# Altium PCB PowerAMP_revision.PcbDoc (part 3 of 4) (continued)
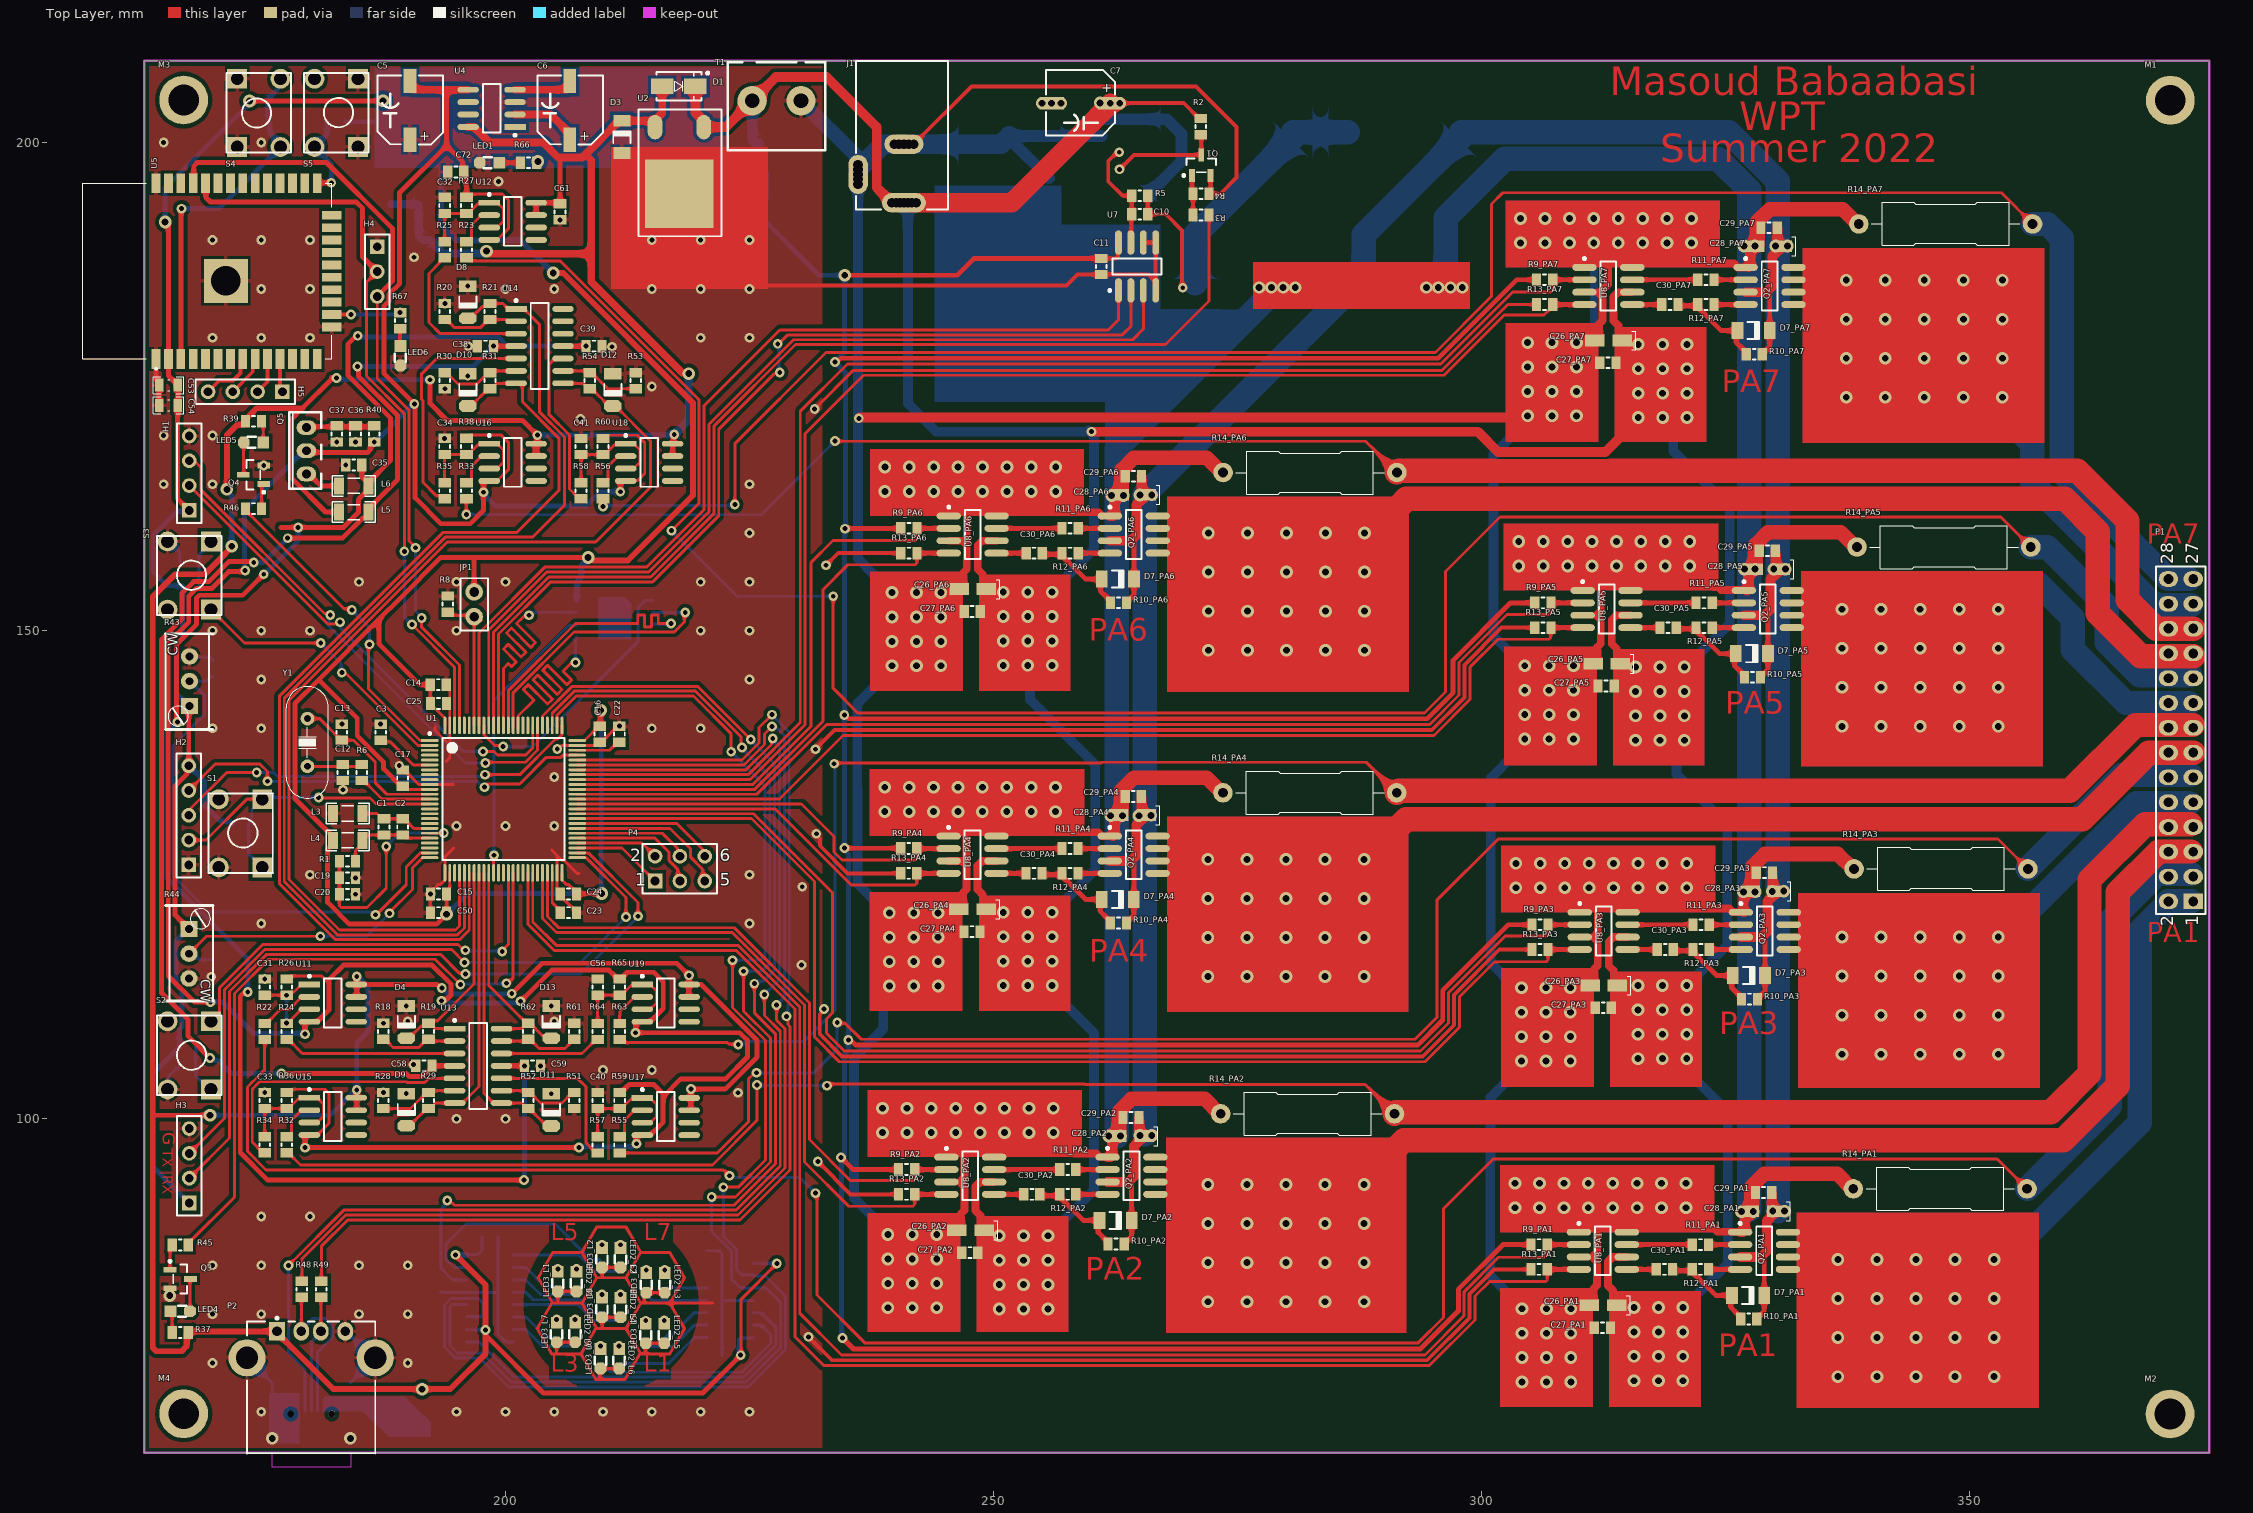
[diagram p0: Top Layer view]
## Nets (pads, with @x,y where several pads share a name; then routed paths per layer and width w, separated by ;. In a path a pad name is that pad's centre, name@x,y a point inside that pad or via, vN(x,y) a via of type N, cw(c..) or ccw(c..) an arc to the next point about the centre after c; other vN are vias at no path point) (continued)
  Top Layer w0.5: C30_PA7.2@320.096,183.273 322.128,183.273 322.353,183.048 322.353,182.921 324.541,180.733 D7_PA7.1@326.193,180.733 ; D7_PA7.1@326.065,180.733 326.065,179.511 327.081,178.495 R10_PA7.2@327.081,178.32
NetC36_2: C36.2 C37.2 Q5.B R40.1 | length 7
  Top Layer w0.5: Q5.B@179.625,170.8 179.713,170.887 186.488,170.887 R40.1@186.575,170.975
NetD6_2: D6.2 L1.1 U6.2 | length 16.7
  Bottom Layer w1.2: U6.2@261.075,202.375 267.75,202.375 L1.1@269.075,201.05 269.25,200.875 269.25,198.075 265.925,194.75 D6.2@265.925,194.35
NetD28_1: D28.1 p3.1 p3.H@182.225,69.775 | length 12.8
  Bottom Layer w0.3: p3.1@181.425,70.075 181.425,71.254 181.471,71.3 189.75,71.3 190.819,70.231 190.819,69.356 D28.1@191.45,68.725
NetL6_1: L6.1 Q5.E | length 3.8
  Top Layer w0.5: Q5.E@179.625,166.05 179.875,166.05 181.1,164.825 L6.1@182.965,164.825
NetLED1_1: LED1.1 R66.1 | length 2.2
  Top Layer w0.5: LED1.1@199.375,197.925 199.377,197.927 201.548,197.927 R66.1@201.55,197.93
NetLED2_L1_1: LED2_L1.1 R16_L1.1
  other v2: 207.275,84.629
NetLED2_L2_1: LED2_L2.1 R16_L2.1
  other v2: 211.8,87.104
NetLED2_L3_1: LED2_L3.1 R16_L3.1
  other v2: 216.325,84.529
NetLED2_L4_1: LED2_L4.1 R16_L4.1
  other v2: 211.8,82.004
NetLED2_L5_1: LED2_L5.1 R16_L5.1
  other v2: 216.275,79.354
NetLED2_L6_1: LED2_L6.1 R16_L6.1
  other v2: 211.65,76.729
NetLED2_L7_1: LED2_L7.1 R16_L7.1
  other v2: 207.15,79.454
NetLED3_L1_1: LED3_L1.1 R17_L1.1
  other v2: 205.375,84.629
NetLED3_L2_1: LED3_L2.1 R17_L2.1
  other v2: 209.9,87.104
NetLED3_L3_1: LED3_L3.1 R17_L3.1
  other v2: 214.425,84.529
NetLED3_L4_1: LED3_L4.1 R17_L4.1
  other v2: 209.9,82.004
NetLED3_L5_1: LED3_L5.1 R17_L5.1
  other v2: 214.375,79.329
NetLED3_L6_1: LED3_L6.1 R17_L6.1
  other v2: 209.75,76.754
NetLED3_L7_1: LED3_L7.1 R17_L7.1
  other v2: 205.25,79.454
NetLED4_1: LED4.1 R37.1 | length 2.2
  Top Layer w0.3: LED4.1@165.7,80.3 165.875,80.125 R37.1@165.875,78.125
NetLED4_2: LED4.2 Q3.3 | length 3.3
  Top Layer w0.3: LED4.2@167.7,80.3 167.7,83.55 Q3.3@167.75,83.6
NetLED5_1: LED5.1 R39.1 | length 2
  Top Layer w0.3: LED5.1@175.2,169.275 R39.1@175.2,171.275
NetLED5_2: LED5.2 Q4.3 | length 3.3
  Top Layer w0.3: Q4.3@173.15,165.975 173.2,166.025 LED5.2@173.2,169.275
NetLED6_1: LED6.1 R67.1 | length 1.8
  Top Layer w0.4: R67.1@189.225,180.925 189.225,179.175 LED6.1@189.25,179.15
NetQ1_1: Q1.1 R3.2 R4.2 | length 4.1
  Top Layer w0.4: Q1.1@270.325,196.625 270.325,194.85 R4.2@270.425,194.75 R3.2@270.425,192.575
NetQ1_3: Q1.3 R2.1 U6.5 | length 11
  Top Layer w0.4: v2@262.96,197.19 v2(262.9,197.25) 264.375,198.725 Q1.3@271.275,198.725 271.275,200.65 R2.1@271.25,200.675
NetQ2_PA1_2: Q2_PA1.2 R11_PA1.1 | length 3.3
  Top Layer w0.5: R11_PA1.1@323.215,87.122 Q2_PA1.2@326.465,87.122
NetQ2_PA1_4: Q2_PA1.4 R12_PA1.1 | length 3.3
  Top Layer w0.5: R12_PA1.1@323.215,84.582 Q2_PA1.4@326.465,84.582
NetQ2_PA2_2: Q2_PA2.2 R11_PA2.1 | length 3.3
  Top Layer w0.5: R11_PA2.1@258.425,94.807 Q2_PA2.2@261.675,94.807
NetQ2_PA2_4: Q2_PA2.4 R12_PA2.1 | length 3.3
  Top Layer w0.5: R12_PA2.1@258.425,92.267 Q2_PA2.4@261.675,92.267
NetQ2_PA3_2: Q2_PA3.2 R11_PA3.1 | length 3.3
  Top Layer w0.5: R11_PA3.1@323.296,119.885 Q2_PA3.2@326.546,119.885
NetQ2_PA3_4: Q2_PA3.4 R12_PA3.1 | length 3.3
  Top Layer w0.5: R12_PA3.1@323.296,117.345 Q2_PA3.4@326.546,117.345
NetQ2_PA4_2: Q2_PA4.2 R11_PA4.1 | length 3.3
  Top Layer w0.5: R11_PA4.1@258.653,127.684 Q2_PA4.2@261.903,127.684
NetQ2_PA4_4: Q2_PA4.4 R12_PA4.1 | length 3.3
  Top Layer w0.5: R12_PA4.1@258.653,125.144 Q2_PA4.4@261.903,125.144
NetQ2_PA5_2: Q2_PA5.2 R11_PA5.1 | length 3.3
  Top Layer w0.5: R11_PA5.1@323.597,152.849 Q2_PA5.2@326.847,152.849
NetQ2_PA5_4: Q2_PA5.4 R12_PA5.1 | length 3.3
  Top Layer w0.5: R12_PA5.1@323.597,150.309 Q2_PA5.4@326.847,150.309
NetQ2_PA6_2: Q2_PA6.2 R11_PA6.1 | length 3.3
  Top Layer w0.5: R11_PA6.1@258.667,160.481 Q2_PA6.2@261.917,160.481
NetQ2_PA6_4: Q2_PA6.4 R12_PA6.1 | length 3.3
  Top Layer w0.5: R12_PA6.1@258.667,157.941 Q2_PA6.4@261.917,157.941
NetQ2_PA7_2: Q2_PA7.2 R11_PA7.1 | length 3.3
  Top Layer w0.5: R11_PA7.1@323.778,185.94 Q2_PA7.2@327.028,185.94
NetQ2_PA7_4: Q2_PA7.4 R12_PA7.1 | length 3.3
  Top Layer w0.5: R12_PA7.1@323.778,183.4 Q2_PA7.4@327.028,183.4
NetQ3_1: Q3.1 R45.2 | length 2.6
  Top Layer w0.3: Q3.1@165.65,84.55 165.65,86.85 R45.2@165.875,87.075
NetQ4_1: Q4.1 R46.2 | length 2.7
  Top Layer w0.3: R46.2@175.025,162.5 175.025,164.875 175.175,165.025 Q4.1@175.25,165.025
NetR11_PA1_2: R11_PA1.2 U8_PA1.7 | length 6.7
  Top Layer w0.5: U8_PA1.7@314.855,87.122 R11_PA1.2@321.565,87.122
NetR11_PA2_2: R11_PA2.2 U8_PA2.7 | length 6.7
  Top Layer w0.5: U8_PA2.7@250.065,94.807 R11_PA2.2@256.775,94.807
NetR11_PA3_2: R11_PA3.2 U8_PA3.7 | length 6.7
  Top Layer w0.5: U8_PA3.7@314.936,119.885 R11_PA3.2@321.646,119.885
NetR11_PA4_2: R11_PA4.2 U8_PA4.7 | length 6.7
  Top Layer w0.5: U8_PA4.7@250.293,127.684 R11_PA4.2@257.003,127.684
NetR11_PA5_2: R11_PA5.2 U8_PA5.7 | length 6.7
  Top Layer w0.5: U8_PA5.7@315.237,152.849 R11_PA5.2@321.947,152.849
NetR11_PA6_2: R11_PA6.2 U8_PA6.7 | length 6.7
  Top Layer w0.5: U8_PA6.7@250.307,160.481 R11_PA6.2@257.017,160.481
NetR11_PA7_2: R11_PA7.2 U8_PA7.7 | length 6.7
  Top Layer w0.5: U8_PA7.7@315.418,185.94 R11_PA7.2@322.128,185.94
NetR22_1: R22.1 U11.2 | length 5.7
  Top Layer w0.3: R22.1@175.35,109.775 175.525,109.775 176.97,111.22 177.855,111.22 179.125,112.49 U11.2@179.925,112.49
NetR23_1: R23.1 U12.2 | length 4.2
  Top Layer w0.3: R23.1@196.025,189.845 196.2,189.845 196.525,190.17 196.525,191.535 197.55,192.56 U12.2@198.35,192.56
NetR32_1: R32.1 U15.2 | length 4.2
  Top Layer w0.3: R32.1@177.6,98.17 177.775,98.17 178.1,98.495 178.1,99.86 179.125,100.885 U15.2@179.925,100.885
NetR33_1: R33.1 U16.2 | length 4.2
  Top Layer w0.3: R33.1@196.025,165.16 196.2,165.16 196.525,165.485 196.525,166.85 197.55,167.875 U16.2@198.35,167.875
NetR55_1: R55.1 U17.2 | length 4.2
  Top Layer w0.3: R55.1@211.7,98.16 211.875,98.16 212.2,98.485 212.2,99.85 213.225,100.875 U17.2@214.025,100.875
NetR56_1: R56.1 U18.2 | length 4.2
  Top Layer w0.3: R56.1@210,165.16 210.175,165.16 210.5,165.485 210.5,166.85 211.525,167.875 U18.2@212.325,167.875
NetR63_1: R63.1 U19.2 | length 4.2
  Top Layer w0.3: R63.1@211.7,109.775 211.7,110.567 211.733,110.6 211.733,111.008 213.215,112.49 U19.2@214.025,112.49
NetU1_22: U1.22
NetU1_23: U1.23
NetU1_28: U1.28
NetU9_9: U9.9 U10.14 | length 39.2
  Bottom Layer w0.3: U9.9@196.025,77.155 197.295,77.155 200.9,73.55 224.425,73.55 227.7,76.825 227.7,78.654 226.214,80.14 U10.14@225.425,80.14
OSC1: C13.2 U1.12 Y1.1 | length 17.1
  Top Layer w0.3: Y1.1@179.725,140.99 180.985,140.99 183.075,138.9 183.25,138.9 C13.2@183.425,138.9 ; C13.2@183.25,138.775 183.425,138.775 184.445,138.775 186.675,136.545 186.675,134.425 187.85,133.25 U1.12@192.25,133.25
OSC2: R6.1 U1.13 | length 8.2
  Top Layer w0.3: R6.1@184.925,134.325 R6.1@185.225,134.625 ; R6.1@185.3,134.65 185.475,134.65 187.375,132.75 U1.13@192.25,132.75
PB1: C43.2 R41.2 S2.1 U1.39 | length 50.4
  Top Layer w0.3: S2.1@169.847,103.007 S2.1@170.6,103.76 ; S2.1@170.6,109.24 S2.1@169.847,109.992 170.713,110.858 170.713,113.42 175.144,117.85 195.136,117.85 195.711,117.275 v2(195.9,117.275) ; v2(199.675,117.15) 199.675,117.244 200.3,117.869 U1.39@200.3,125.2
  Bottom Layer w0.3: R41.2@168.275,107.525 C43.2@168.275,105.625 168.275,104.405 S2.1@169.673,103.007 ; v2(195.9,117.275) 195.962,117.213 199.612,117.213 v2(199.675,117.15)
PB2: C44.2 R42.2 S3.1 U1.2 | length 33.8
  Top Layer w0.3: S3.1@169.847,152.157 173.271,148.734 v2(181.091,148.734) ; v2(183.25,145.7) 183.384,145.566 183.734,145.566 191.05,138.25 U1.2@192.25,138.25
  Bottom Layer w0.3: R42.2@168.6,154.6 C44.2@168.6,156.8 168.6,157.745 S3.1@169.998,159.142 ; v2(181.091,148.734) 183.175,146.65 183.175,145.775 v2(183.25,145.7)
PD8: P4.3 U1.55 | length 13.2
  Top Layer w0.3: U1.55@207.55,128.75 215.318,128.75 216.775,127.293 216.775,126.444 217.659,125.56 217.659,124.576 P4.3@217.875,124.36
PD9: P4.4 U1.56 | length 11.8
  Top Layer w0.3: U1.56@207.35,129.25 216.075,129.25 217.645,127.68 217.645,127.13 P4.4@217.875,126.9
PD10: P4.5 U1.57 | length 16.4
  Top Layer w0.3: U1.57@207.35,129.75 216.858,129.75 218.975,127.633 218.975,126.784 220.199,125.56 220.199,124.576 P4.5@220.415,124.36
PD11: P4.6 U1.58 | length 14.7
  Top Layer w0.3: U1.58@207.35,130.25 217.55,130.25 220.185,127.615 220.185,127.13 P4.6@220.415,126.9
Pot1: C45.2 R43.3 U1.24 | length 55.9
  Top Layer w0.3: R43.3@167.936,144.825 R43.3@168,144.825 ; v2(186.7,120.9) 186.775,120.9 189.846,123.971 189.846,125.804 191.293,127.25 U1.24@192.25,127.25
  Bottom Layer w0.3: R43.3@167.65,144.825 167.713,144.825 169.2,143.338 169.2,141.45 165.95,138.2 165.95,124.9 169.65,121.2 186.211,121.2 186.511,120.9 v2(186.7,120.9) ; R43.3@168,144.825 169.425,144.825 169.9,145.3 C45.2@170.075,145.3
Pot2: C46.2 R44.3 U1.25 | length 32.7
  Top Layer w0.3: R44.3@167.6,116.915 169.385,118.7 v2(181.05,118.7) ; v2(188.126,121.049) 188.126,121.151 190.475,123.5 190.475,125.725 191.5,126.75 U1.25@192.25,126.75
  Bottom Layer w0.3: R44.3@167.6,116.915 168.029,116.915 168.644,116.3 C46.2@169.95,116.3 ; v2(181.05,118.7) 185.8,118.7 188.126,121.026 v2(188.126,121.049)
POT_CS: U1.93 U7.1 | length 97.5
  Top Layer w0.3: U1.93@197.3,140.3 197.3,149.775 204.025,156.5 214.466,156.5 220.35,162.384 220.35,173.038 228.112,180.8 261.75,180.8 262.795,181.845 U7.1@262.795,184.85
POT_SCK: U1.89 U7.2 | length 98
  Top Layer w0.3: U1.89@199.3,140.3 199.3,149.654 204.646,155 215.088,155 221.85,161.762 221.85,170.625 227.541,176.316 227.966,176.316 v2(228.1,176.45) ; v2(227.894,179.381) 228.006,179.381 228.925,180.3 263.175,180.3 264.065,181.19 U7.2@264.065,184.85
  Bottom Layer w0.3: v2(227.894,179.381) 228.025,179.25 228.025,176.525 v2(228.1,176.45)
POT_SI: U1.91 U7.3 | length 98.8
  Top Layer w0.3: U1.91@198.3,140.3 198.3,150.068 204.232,156 214.673,156 220.85,162.177 220.85,171.134 229.516,179.8 264.25,179.8 265.335,180.885 U7.3@265.335,184.85
QUAD_BK1_CS: U1.92 U20.1 | length 27
  Top Layer w0.3: U1.92@197.8,140.3 197.8,139.343 198.884,138.259 199.641,138.259 v2(199.775,138.125)
  Bottom Layer w0.3: v2(199.775,138.125) 202.819,138.125 213.6,148.906 213.6,152.4 214.319,153.119 215.059,153.119 U20.1@215.095,153.155
QUAD_BK1_IO0: U1.85 U20.5 | length 29
  Top Layer w0.3: U1.85@201.3,139.925 U1.85@201.3,140.3 201.3,141.257 202.821,142.778 202.927,142.885 201.838,143.974 202.333,144.469 204.319,142.483 204.814,142.978 202.828,144.964 203.323,145.459 205.309,143.473 205.804,143.968 203.818,145.954 204.313,146.449 206.299,144.463 206.794,144.958 205.897,145.854 206.387,146.344 206.659,146.616 207.041,146.616 v2(207.175,146.75)
  Bottom Layer w0.3: v2(207.175,146.75) 207.175,149.245 207.275,149.345 U20.5@207.305,149.345
QUAD_BK1_IO1: U1.86 U20.2 | length 28.4
  Top Layer w0.3: U1.86@200.8,140.15 200.8,143.643 207.032,149.875 217.302,149.875 218.327,150.9 218.327,151.752 v2(218.425,151.85)
  Bottom Layer w0.3: U20.2@215.095,151.885 215.112,151.867 218.408,151.867 v2(218.425,151.85)
QUAD_BK1_IO2: U1.87 U20.3 | length 29.2
  Top Layer w0.3: U1.87@200.3,140.3 200.3,143.85 207.175,150.725 213.409,150.725 213.559,150.725 213.559,151.608 214.259,151.608 214.259,150.375 214.959,150.375 214.959,151.608 215.659,151.608 215.659,150.725 216.425,150.725 v2(216.95,150.725)
  Bottom Layer w0.3: U20.3@215.095,150.615 215.15,150.67 216.895,150.67 v2(216.95,150.725)
QUAD_BK1_IO3: U1.88 U20.7 | length 29.2
  Top Layer w0.3: U1.88@199.8,140.3 199.8,145.918 199.8,146.131 200.295,146.626 200.619,146.301 201.114,146.796 199.8,148.11 200.295,148.605 201.609,147.291 202.104,147.786 200.122,149.768 200.617,150.263 202.599,148.281 203.094,148.776 201.148,150.723 201.7,151.275 201.867,151.442 202.29,151.442 v2(202.424,151.576)
  Bottom Layer w0.3: v2(202.424,151.576) 202.465,151.576 202.774,151.885 U20.7@207.305,151.885
QUAD_CLK: U1.36 U20.6 | length 29.4
  Top Layer w0.3: U1.36@198.8,125.2 198.8,126.975 v2(198.825,127)
  Bottom Layer w0.3: v2(198.825,127) 198.825,142.875 206.467,150.517 207.207,150.517 U20.6@207.305,150.615
R_led1: R16_L1.2 U9.3 | length 7.7
  Bottom Layer w0.3: U9.3@200.825,83.505 202.095,83.505 203.596,82.004 207.024,82.004 207.2,82.18 207.2,82.754 R16_L1.2@207.275,82.829
R_led2: R16_L2.2 U9.1 | length 12.3
  Bottom Layer w0.3: U9.1@200.825,86.045 207.48,86.045 209.15,84.375 211.191,84.375 211.367,84.551 211.367,84.954 211.692,85.279 R16_L2.2@211.8,85.279
R_led3: R16_L3.2 U10.5 | length 4.3
  Bottom Layer w0.3: R16_L3.2@216.325,82.704 216.349,82.68 U10.5@220.625,82.68
R_led4: R16_L4.2 U9.5 | length 12.2
  Bottom Layer w0.3: U9.5@200.825,80.965 200.835,80.975 207.4,80.975 209.021,79.354 211.549,79.354 211.725,79.53 R16_L4.2@211.725,80.104
R_led5: R16_L5.2 U10.3 | length 5.4
  Bottom Layer w0.3: R16_L5.2@216.275,77.529 216.6,77.854 217.069,77.854 219.355,80.14 U10.3@220.625,80.14
R_led6: R16_L6.2 U10.1 | length 10.1
  Bottom Layer w0.3: R16_L6.2@211.65,74.929 216.684,74.929 219.36,77.605 220.62,77.605 U10.1@220.625,77.6
R_led7: R16_L7.2 U9.7 | length 7.8
  Bottom Layer w0.3: U9.7@200.825,78.425 202.095,78.425 203.77,76.75 206.974,76.75 207.15,76.926 R16_L7.2@207.15,77.629
reg_clk: U1.77 U9.11 U10.11 | length 146.9
  Top Layer w0.3: U1.77@205.3,140.125 U1.77@205.3,140.3 205.3,141.343 207.257,143.3 219.263,143.3 223.125,139.438 v2(223.125,137.6) ; v2(222.325,93) 223.854,93 226.65,95.796 226.65,108.025 223.268,111.407 v2(223.268,116.243)
  Bottom Layer w0.3: U9.11@196.025,79.695 196.073,79.743 197.524,79.743 197.7,79.919 197.7,81.125 197.235,81.59 194.419,81.59 193.775,80.946 193.775,76.627 194.877,75.525 197.35,75.525 200.325,72.55 224.839,72.55 228.7,76.411 228.7,81.839 226.646,83.893 225.482,83.893 U10.11@225.425,83.95 225.377,83.998 224.252,83.998 223.675,84.575 223.675,86.65 222.325,88 v2(222.325,93) ; v2(223.125,137.6) 226.575,134.15 226.575,116.675 226.143,116.243 v2(223.268,116.243)
reg_ON_OFF: R3.1 U1.90 | length 110.9
  Top Layer w0.3: U1.90@198.8,140.3 198.8,149.861 204.439,155.5 214.881,155.5 221.35,161.969 221.35,170.927 229.723,179.3 267.6,179.3 272.075,183.775 R3.1@272.075,192.575
RESET: C18.2 H2.2 R7.2 S1.1 U1.14 | length 34.9
  Top Layer w0.3: H2.2@167.575,128.55 169.325,128.55 173.518,132.743 S1.1@175.098,132.743 ; v2(180.875,132.925) 180.94,132.86 186.14,132.86 186.75,132.25 U1.14@192.25,132.25
  Bottom Layer w0.3: S1.1@175.098,125.758 173.7,127.155 C18.2@173.7,128.225 R7.2@173.7,130.225 174.025,130.55 174.025,131.67 S1.1@175.098,132.743 175.28,132.925 v2(180.875,132.925)
RX1: H1.2 U1.82 | length 49.7
  Top Layer w0.3: H1.2@167.625,164.86 181.81,150.675 182.524,150.675 182.589,150.74 182.916,150.74 v2(183.05,150.874) ; v2(197.715,137.627) 198.84,137.627 199.191,137.275 202.093,137.275 202.8,137.982 U1.82@202.8,140.3
  Bottom Layer w0.3: v2(183.05,150.874) 183.138,150.785 183.138,150.219 195.73,137.627 v2(197.715,137.627)
RX2: H3.2 U1.52 | length 77.3
  Top Layer w0.3: H3.2@167.625,93.925 171.75,98.05 171.75,113.042 175.558,116.85 193.344,116.85 195.271,114.923 195.825,114.923 v2(195.919,114.829) ; U1.52@207.35,127.25 208.482,127.25 213.575,122.157 v2(213.575,120.75)
  Bottom Layer w0.3: v2(195.919,114.829) 207.706,114.829 213.575,120.698 v2(213.575,120.75)
serial_clock: U1.78 U9.12 U10.12 | length 141.6
  Top Layer w0.3: U1.78@204.8,140.3 204.8,141.55 207.05,143.8 219.47,143.8 224.13,139.14 224.13,138.152 v2(224.241,138.04) ; v2(221.125,92) 223.561,92 227.15,95.589 227.15,108.275 224.393,111.032 v2(224.393,115.118)
  Bottom Layer w0.3: U9.12@196.025,80.965 194.501,80.965 194.325,80.789 194.325,76.8 195.1,76.025 197.6,76.025 200.575,73.05 224.632,73.05 228.2,76.618 228.2,81.175 226.695,82.68 U10.12@225.425,82.68 224.07,82.68 223.175,83.575 223.175,86.443 221.125,88.493 v2(221.125,92) ; v2(224.241,138.04) 224.241,137.934 227.075,135.1 227.075,115.925 226.268,115.118 v2(224.393,115.118)
SWCLK: H2.3 U1.76 | length 43.2
  Top Layer w0.3: H2.3@167.575,131.09 167.805,131.32 167.805,131.826 171.455,135.477 174.521,135.477 v2(174.526,135.471) ; v2(197.918,135.25) 201.483,135.25 205.132,138.9 205.357,138.9 205.8,139.343 U1.76@205.8,140.3
  Bottom Layer w0.3: v2(174.526,135.471) 174.532,135.477 176.248,135.477 176.665,135.06 197.392,135.06 197.448,135.116 197.784,135.116 v2(197.918,135.25)
SWDIO: H2.4 U1.72 | length 43.9
  Top Layer w0.3: H2.4@167.575,133.63 170.272,136.327 174.873,136.327 175.625,135.575 v2(175.625,134.575) ; v2(197.875,133.975) 197.875,134.124 198.051,134.3 201.464,134.3 204.189,137.025 205.661,137.025 205.886,137.25 U1.72@207.35,137.25
  Bottom Layer w0.3: v2(175.625,134.575) 175.64,134.56 197.116,134.56 197.701,133.975 v2(197.875,133.975)
TIM12_CH1: P4.1 U1.53 | length 9.4
  Top Layer w0.3: U1.53@207.35,127.75 211.945,127.75 P4.1@215.335,124.36
TIM12_CH2: P4.2 U1.54 | length 8.5
  Top Layer w0.3: U1.54@207.35,128.25 213.985,128.25 P4.2@215.335,126.9
TX1: H1.3 U1.81 | length 53.8
  Top Layer w0.3: H1.3@167.625,167.4 167.855,167.17 168.355,167.17 168.8,166.725 168.8,164.425 181.473,151.752 181.935,151.752 v2(182.069,151.619) ; v2(197.95,136.45) 198.025,136.525 202.05,136.525 203.3,137.775 U1.81@203.3,140.3
  Bottom Layer w0.3: v2(182.069,151.619) 181.935,151.485 181.935,150.826 181.927,150.819 181.927,150.435 195.912,136.45 v2(197.95,136.45)
TX2: H3.3 U1.51 | length 72.2
  Top Layer w0.3: H3.3@167.625,96.465 171.25,100.09 171.25,113.249 175.351,117.35 194.5,117.35 v2(195.825,116.025) ; U1.51@207.35,126.75 208.275,126.75 212.35,122.675 v2(212.35,120.675)
  Bottom Layer w0.3: v2(195.825,116.025) 207.7,116.025 v2(212.35,120.675)
USB_DM: R48.2 U1.70 | length 124.5
  Top Layer w0.3: R48.2@179.15,83.375 179.15,85.65 183.65,90.15 223.832,90.15 228.65,94.968 228.65,109.232 227.775,110.107 v2(227.775,111.65) ; U1.70@207.35,136.25 224.432,136.25 226.531,138.349 226.531,139.413 227.3,140.182 v2(227.3,140.198)
  Bottom Layer w0.3: v2(227.3,140.198) 227.432,140.066 227.772,140.066 228.575,139.263 228.575,112.45 v2(227.775,111.65)
USB_DP: R49.2 U1.71 | length 125.2
  Top Layer w0.3: R49.2@181.15,83.375 181.15,86.943 183.857,89.65 224.039,89.65 229.15,94.761 229.15,109.439 228.934,109.655 228.934,110.366 v2(228.8,110.5) ; U1.71@207.35,136.75 224.225,136.75 225.975,138.5 225.975,140.075 v2(227.3,141.4)
  Bottom Layer w0.3: v2(227.3,141.4) 229.075,139.625 229.075,111.735 228.925,111.585 228.925,110.625 v2(228.8,110.5)
USB_ID: p3.4 U1.69 | length 137.2
  Top Layer w0.3: v2(177.775,84.975) 177.775,84.982 183.443,90.65 223.625,90.65 228.15,95.175 228.15,108.975 226.525,110.6 v2(226.525,112.725) ; U1.69@207.35,135.75 224.65,135.75 227.251,138.351 227.251,138.836 v2(227.381,138.965)
  Bottom Layer w0.3: v2(177.775,84.975) 177.775,76.036 179.475,74.336 p3.4@179.475,70.075 ; v2(226.525,112.725) 228.075,114.275 228.075,138.104 227.381,138.798 v2(227.381,138.965)
VBAT: C3.2 U1.6 | length 6.1
  Top Layer w0.3: C3.2@187.225,138.775 187.387,138.613 188.207,138.613 190.57,136.25 U1.6@192.25,136.25
VDDA: C1.2 C2.2 L4.2 R1.2 U1.21 | length 9.8
  Top Layer w0.3: R1.2@184.65,126.375 184.65,127.475 184.982,127.807 184.99,127.807 185.36,128.177 L4.2@185.36,128.527 185.36,128.705 185.73,129.075 C1.2@187.575,129.075 C2.2@189.475,129.075 189.8,128.75 U1.21@192.25,128.75
Vi+_1: R24.1 U13.3 | length 17.8
  Top Layer w0.3: R24.1@177.6,108.125 177.775,108.125 179.205,106.695 U13.3@194.8,106.695
Vi+_2: R34.1 U13.5 | length 28.4
  Top Layer w0.3: R34.1@175.35,96.52 175.175,96.52 174.075,97.62 174.075,103.043 174.35,103.318 174.35,103.33 174.82,103.8 189.84,103.8 189.915,103.725 191.735,103.725 192.165,104.155 U13.5@194.8,104.155
Vi+_3: R57.1 U13.10 | length 16.4
  Top Layer w0.3: U13.10@199.6,104.155 207.37,104.155 208.275,103.25 208.275,97.552 208.526,97.301 208.526,97.259 209.275,96.51 R57.1@209.45,96.51
Vi+_4: R64.1 U13.12 | length 10.4
  Top Layer w0.3: U13.12@199.6,106.695 207.845,106.695 209.275,108.125 R64.1@209.45,108.125
Vi+_5: R25.1 U14.3 | length 16.8
  Top Layer w0.3: R25.1@193.775,188.195 193.6,188.195 193.275,187.87 193.275,187.695 192.175,186.595 192.175,181.575 193.335,180.415 U14.3@201.1,180.415
Vi+_6: R35.1 U14.5 | length 24.4
  Top Layer w0.3: R35.1@193.775,163.51 193.462,163.823 192.927,163.823 191.55,165.2 191.55,173.552 191.425,173.677 191.425,176.325 192.975,177.875 U14.5@201.1,177.875
Vi+_7: R58.1 U14.10 | length 16.9
  Top Layer w0.3: U14.10@205.9,177.875 205.1,177.875 204.45,177.225 204.45,172.157 206.575,170.032 206.575,164.51 207.575,163.51 R58.1@207.75,163.51
Vi-_1: R18.1 R19.2 U13.2 | length 8.1
  Top Layer w0.3: R18.1@187.5,108.14 187.675,108.14 188.5,107.315 191.125,107.315 191.95,108.14 R19.2@192.125,108.14 192.3,107.965 U13.2@194.8,107.965
Vi-_2: R28.1 R29.2 U13.6 | length 8.1
  Top Layer w0.3: R28.1@187.5,101.05 190.29,101.05 192.125,102.885 U13.6@194.8,102.885
Vi-_3: R51.1 R52.2 U13.9 | length 8.4
  Top Layer w0.3: U13.9@199.6,102.885 202.34,102.885 203.6,101.625 205.8,101.625 206.875,102.7 R51.1@207.05,102.7
Vi-_4: R61.1 R62.2 U13.13 | length 8.3
  Top Layer w0.3: U13.13@199.6,107.965 202.7,107.965 203.47,107.195 206.105,107.195 206.55,107.64 206.55,107.815 206.875,108.14 R61.1@207.05,108.14
Vi-_5: R20.1 R21.2 U14.2 | length 8.1
  Top Layer w0.3: R20.1@193.8,181.86 193.975,181.86 194.8,181.035 197.425,181.035 198.25,181.86 R21.2@198.425,181.86 200.044,181.86 200.219,181.685 U14.2@201.1,181.685
Vi-_6: R30.1 R31.2 U14.6 | length 8.4
  Top Layer w0.3: R30.1@193.8,176.43 193.975,176.43 195.155,175.25 197.07,175.25 198.25,176.43 R31.2@198.425,176.43 198.6,176.605 U14.6@201.1,176.605
Vi-_7: R53.1 R54.2 U14.9 | length 8.2
  Top Layer w0.3: U14.9@205.9,176.605 208.475,176.605 R54.2@208.494,176.586 ; R54.2@208.65,176.43 208.825,176.43 210.475,174.78 R53.1@213.35,174.78
  Top Layer w0.5: U14.9@205.9,176.605 U14.9@205.919,176.586 ; R54.2@208.494,176.586 R54.2@208.65,176.43
vp1: C31.2 R24.2 R26.1 U11.1 U11.3 | length 10.7
  Top Layer w0.3: C31.2@175.35,112.665 R26.1@177.359,112.665 ; v2(177.575,109.8) 177.8,109.8 178.1,110.1 178.1,110.195 179.125,111.22 U11.3@179.925,111.22 ; v2(177.6,112.665) 177.925,112.99 178.355,112.99 179.125,113.76 U11.1@179.925,113.76
  Bottom Layer w0.3: v2(177.575,109.8) 177.588,109.813 177.588,112.653 v2(177.6,112.665)
vp2: C33.2 R34.2 R36.1 U15.1 U15.3 | length 12.5
  Top Layer w0.3: R34.2@175.35,98.17 C33.2@175.35,101.06 177.359,101.06 R36.1@177.48,100.94 ; R36.1@177.6,101.06 177.775,101.06 178.813,102.098 179.868,102.098 U15.1@179.925,102.155 180.725,102.155 181.375,101.505 181.375,100.265 180.725,99.615 U15.3@179.925,99.615
vp3: C40.2 R57.2 R59.1 U17.1 U17.3 | length 12.5
  Top Layer w0.3: R57.2@209.45,98.16 C40.2@209.45,101.05 211.459,101.05 R59.1@211.58,100.93 ; R59.1@211.7,101.05 211.875,101.05 212.913,102.088 213.968,102.088 U17.1@214.025,102.145 214.825,102.145 215.475,101.495 215.475,100.255 214.825,99.605 U17.3@214.025,99.605
vp4: C56.2 R64.2 R65.1 U19.1 U19.3 | length 12.6
  Top Layer w0.3: R64.2@209.45,109.775 C56.2@209.45,112.665 R65.1@211.7,112.665 211.875,112.665 212.913,113.703 213.968,113.703 U19.1@214.025,113.76 214.825,113.76 215.475,113.11 215.475,111.87 214.825,111.22 U19.3@214.025,111.22
vp5: C32.2 R25.2 R27.1 U12.1 U12.3 | length 12.6
  Top Layer w0.3: R25.2@193.775,189.845 C32.2@193.775,192.735 R27.1@196.025,192.735 196.2,192.735 197.238,193.773 198.293,193.773 U12.1@198.35,193.83 199.15,193.83 199.8,193.18 199.8,191.94 199.15,191.29 U12.3@198.35,191.29
vp6: C34.2 R35.2 R38.1 U16.1 U16.3 | length 12.6
  Top Layer w0.3: R35.2@193.775,165.16 C34.2@193.775,168.05 R38.1@196.025,168.05 196.2,168.05 197.238,169.088 198.293,169.088 U16.1@198.35,169.145 199.15,169.145 199.8,168.495 199.8,167.255 199.15,166.605 U16.3@198.35,166.605
vp7: C41.2 R58.2 R60.1 U18.1 U18.3 | length 12.3
  Top Layer w0.3: R58.2@207.75,165.16 C41.2@207.75,168.04 209.525,168.04 R60.1@209.69,167.875 ; R60.1@210,168.04 210.175,168.04 211.223,169.088 212.268,169.088 U18.1@212.325,169.145 213.125,169.145 213.775,168.495 213.775,167.255 213.125,166.605 U18.3@212.325,166.605
VPA: C9.1 C28_PA1.1 C28_PA2.1 C28_PA3.1 C28_PA4.1 C28_PA5.1 C28_PA6.1 C28_PA7.1 C29_PA1.1 C29_PA2.1 C29_PA3.1 C29_PA4.1 C29_PA5.1 C29_PA6.1 C29_PA7.1 C48.1 C49.1 D7_PA1.2 D7_PA2.2 D7_PA3.2 D7_PA4.2 D7_PA5.2 D7_PA6.2 D7_PA7.2 L2.2 Q2_PA1.3 Q2_PA2.3 Q2_PA3.3 Q2_PA4.3 Q2_PA5.3 Q2_PA6.3 Q2_PA7.3 R10_PA1.1 R10_PA2.1 R10_PA3.1 R10_PA4.1 R10_PA5.1 R10_PA6.1 R10_PA7.1 | length 369.5
  Top Layer w0.5: R10_PA2.1@263.378,87.187 263.378,87.362 263.603,87.587 263.752,87.587 264.14,87.975 D7_PA2.2@264.14,89.6 264.14,93.206 263.809,93.537 ; R10_PA4.1@263.606,120.064 263.606,120.239 263.831,120.464 263.98,120.464 264.368,120.852 D7_PA4.2@264.368,122.477 264.368,126.083 264.037,126.414 ; R10_PA6.1@263.62,152.861 263.62,153.036 263.845,153.261 263.994,153.261 264.382,153.649 D7_PA6.2@264.382,155.274 264.382,158.88 264.051,159.211 ; R10_PA1.1@328.168,79.502 328.168,79.677 328.393,79.902 328.542,79.902 328.93,80.29 D7_PA1.2@328.93,81.915 328.93,85.521 328.599,85.852 ; R10_PA3.1@328.249,112.265 328.249,112.44 328.474,112.665 328.623,112.665 329.011,113.053 D7_PA3.2@329.011,114.678 329.011,118.284 328.68,118.615 ; R10_PA5.1@328.55,145.229 328.55,145.404 328.775,145.629 328.924,145.629 329.312,146.017 D7_PA5.2@329.312,147.642 329.312,151.248 328.981,151.579 ; R10_PA7.1@328.731,178.32 328.731,178.495 328.956,178.72 329.105,178.72 329.493,179.108 D7_PA7.2@329.493,180.733 329.493,184.339 329.162,184.67
  Top Layer w1: Q2_PA2.3@261.675,93.537 263.809,93.537 264.395,94.123 264.395,97.214 C28_PA2.1@264.917,97.737 ; Q2_PA4.3@261.903,126.414 264.037,126.414 264.623,127 264.623,130.091 C28_PA4.1@265.145,130.614 ; Q2_PA6.3@261.917,159.211 264.051,159.211 264.637,159.797 264.637,162.888 C28_PA6.1@265.159,163.411 ; C29_PA2.1@264.902,100.141 264.927,100.116 C28_PA2.1@264.927,98.3 ; C29_PA4.1@265.13,133.018 265.155,132.993 C28_PA4.1@265.155,131.023 ; C29_PA6.1@265.144,165.815 265.169,165.79 C28_PA6.1@265.169,163.82 ; Q2_PA1.3@326.465,85.852 328.599,85.852 329.185,86.438 329.185,89.529 C28_PA1.1@329.707,90.052 ; Q2_PA3.3@326.546,118.615 328.68,118.615 329.266,119.201 329.266,122.292 329.788,122.815 329.788,123.215 329.798,123.224 329.798,125.194 C29_PA3.1@329.773,125.219 ; Q2_PA5.3@326.847,151.579 328.981,151.579 329.567,152.165 329.567,155.256 330.089,155.779 330.089,156.179 330.099,156.188 330.099,158.158 C29_PA5.1@330.074,158.183 ; Q2_PA7.3@327.028,184.67 329.162,184.67 329.748,185.256 329.748,188.347 330.27,188.87 330.27,189.27 330.28,189.279 330.28,191.249 C29_PA7.1@330.255,191.274 ; C29_PA1.1@329.692,92.456 329.717,92.431 329.717,90.461 v1(329.807,90.551) C28_PA1.1@330.207,90.551
  Bottom Layer w1: 265.702,97.72 266.2,98.219 v1(266.2,98.3) ; v1@330.702,90.165 331.007,90.47 v1(331.007,90.551)
  Bottom Layer w2.5: v1@265.5,98.4 265.5,131.05 265.5,163.953 276.169,174.622 276.172,174.622 286.675,185.125 C9.1@287.9,185.125 287.9,190.55 297.9,200.55 L2.2@297.9,201.05 325.309,201.05 330.327,196.032 330.327,189.4 330.327,156.3 330.327,133.85 330.327,123.317 v1@330.327,90.551
  other v1: 265,98.3 329.75,123.3 330.925,123.325 264.9,131.05 329.9,156.3 331.1,156.3 265,163.9 330.1,189.4 331.3,189.4
  other v3: 266.125,131.075 266.2,163.9
VREF+: C19.1 C20.2 R1.1 U1.20 | length 22.4
  Top Layer w0.3: R1.1@183,126.375 C19.1@183,124.688 183,121.826 183.176,121.65 185.825,121.65 187.8,123.625 v2(187.8,127.9) ; U1.20@192.25,129.25 193.683,129.25 v2(193.699,129.266)
  Bottom Layer w0.3: v2(187.8,127.9) 189.166,129.266 v2(193.699,129.266)
VSSA: C1.1 C2.1 L3.2 U1.19 | length 7.5
  Top Layer w0.3: L3.2@185.36,131.273 186.852,131.273 187.4,130.725 C1.1@187.575,130.725 C2.1@189.475,130.725 189.65,130.725 190.625,129.75 U1.19@192.25,129.75
pads on no net: M1.S M2.S M3.S M4.S U1.3 U1.4 U1.5 U1.7 U1.8 U1.9 U1.15 U1.16 U1.17 U1.18 U1.37 U1.38 U1.41 U1.42 U1.45 U1.79 U1.83 U1.84 U1.95 U1.96 U4.1 U4.6 U4.7 U5.4 U5.5 U5.6 U5.7 U5.17 U5.18 U5.19 U5.20 U5.21 U5.22 U5.32 U10.6 U10.7 U10.9 U11.5 U11.6 U12.5 U12.6 U14.12 U14.13 U14.14 U15.5 U15.6 U16.5 U16.6 U17.5 U17.6 U18.5 U18.6 U19.5 U19.6 U20.9

## Polygon pours and split planes (outlines as drawn)
GND on Bottom Layer "GND_L02_P000" (solid, pour order 0): 163,208.35 232.475,208.35 232.475,68.375 232.475,66.125 234.375,66.125 162.675,66.125
GND on Top Layer "GND_L01_P001" (solid, pour order 1): 163,208.375 232.475,208.375 232.475,68.4 232.475,66.15 234.375,66.15 162.675,66.15

## Keep-outs
Keep-Out Layer:
  the board outline again, w0.254